# KiCad board Stream.kicad_pcb (continued)
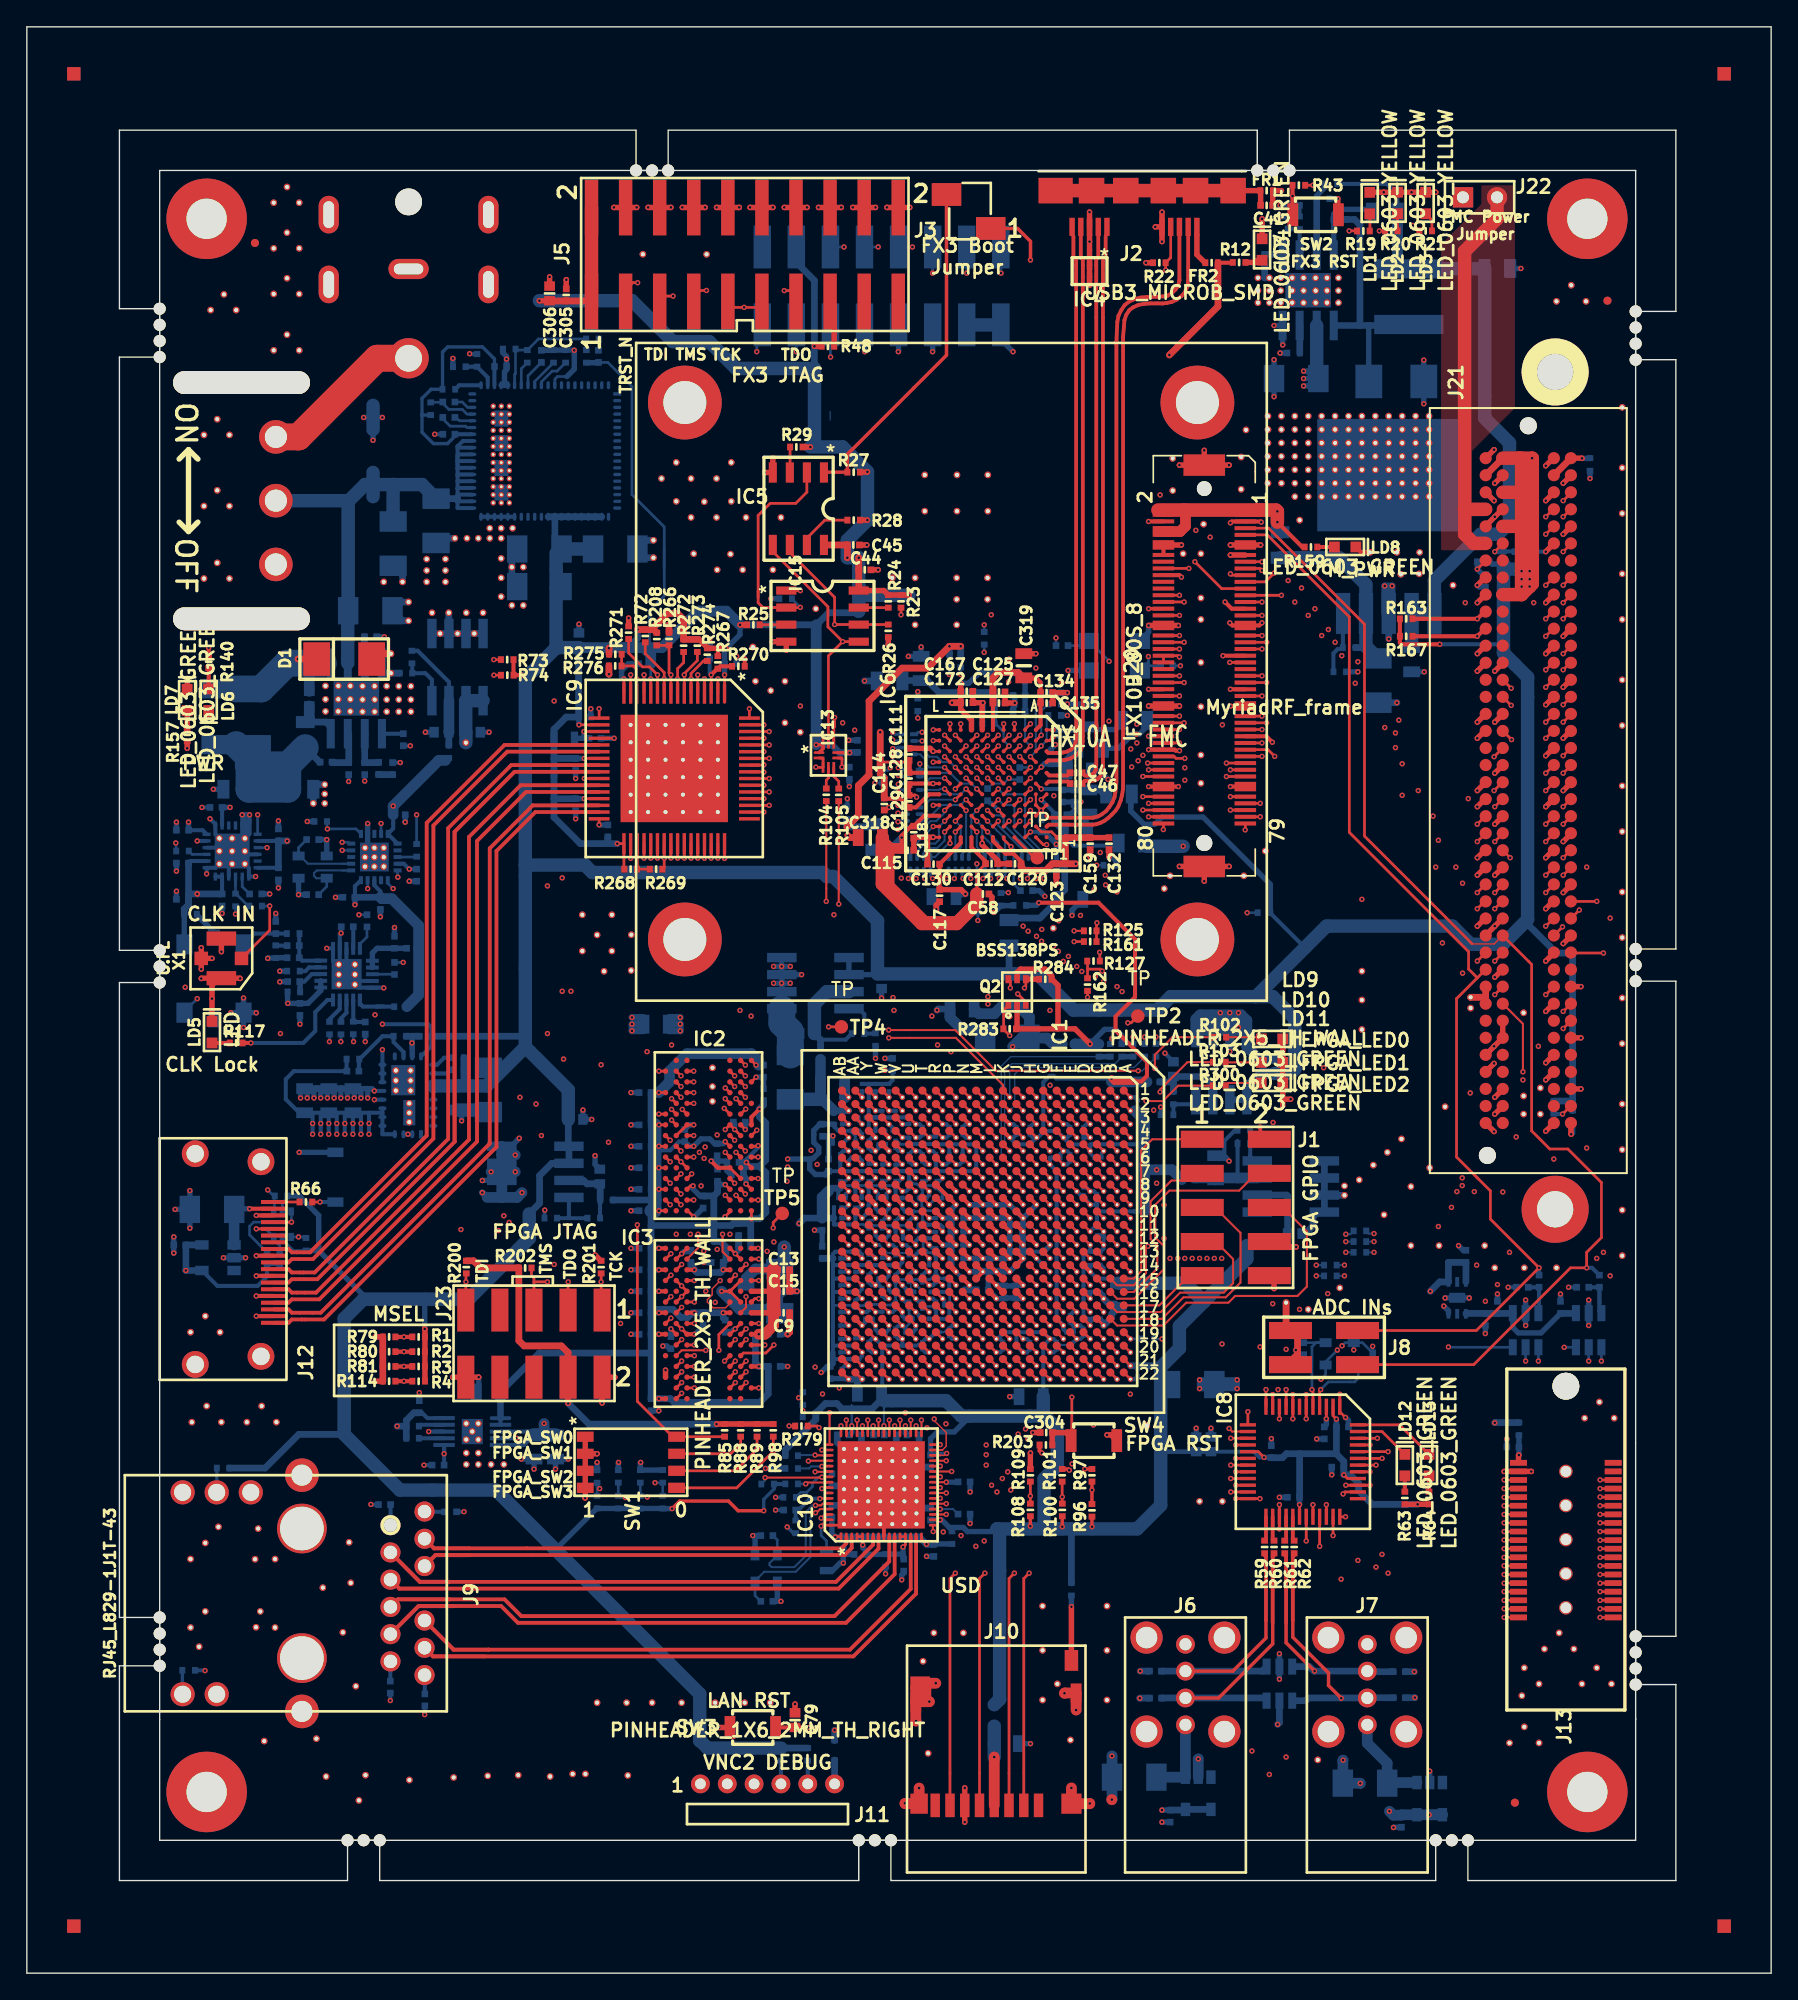
[diagram p0: board, top side]
## Routing (per net, layer and track width the routed paths; a pad name or vN(x,y) marks a point on that pad's centre or on a via; arc(x,y) is an arc through that point) (continued)
  Bottom w1: FR13.2 83.51,83.95 v1(86.18,83.95)
I2C_SCL: length 88.5
  Top w0.2: Q2.6 73.3,73.9 v1(73.3,73.4) ; R73.1 v1(34.8,97.86) ; IC6.D9 v1(74,86.62)
  Inner6.Cu w0.1: v1(73.2,97.9) 72.75,97.45 35.23,97.45 34.82,97.86 v1(34.8,97.86) 34.76,97.86
  Inner4.Cu w0.1: 74.4,95.8 74.4,87.03 v1(74,86.62) ; 74.4,95.8 74.4,96.08 ; 74.4,95.8 74.4,96.7 v1(73.2,97.9)
  Inner4.Cu w0.15: v1(23.5,83.65) 23.1,83.65 22.95,83.8 22.95,85.3 24.6,86.95 24.6,89.2 33.26,97.86 v1(34.8,97.86)
  Inner3.Cu w0.1: 73.62,80.28 73.62,80.4 ; 73.62,80.28 73.62,80.1 ; 73.62,80.28 73.62,80.43 ; 73.43,83.05 73.6,83.22 ; 73.43,83.05 73.75,83.38 73.75,85.38 73.6,85.53 IC6.D9 v1(74,86.62) ; 73.43,83.05 73.43,81.12 73.62,80.93 73.62,80.1 ; 73.62,80.1 73.62,73.72 v1(73.3,73.4)
  Bottom w0.2: v1(23.5,83.65) IC11.4
I2C_SCL_FPGA: length 14.5
  Top w0.2: v1(73.25,69.85) 72.8,70.3 72.8,71.75 73.15,72.1 Q2.1 ; IC1.K7 IC1.K7
  Inner3.Cu w0.1: v1(73.25,69.85) 73.94,69.16 73.94,67.96 73.62,67.65 73.62,59.62 IC1.K7
I2C_SDA: length 88.4
  Top w0.2: v1(73.85,72.95) 74.45,72.35 Q2.3 ; v1(74,85.82) IC6.D10 ; R74.1 v1(34.81,96.7)
  Inner6.Cu w0.1: 74.78,97.22 35.24,97.22 34.81,96.8 v1(34.81,96.7) 34.76,96.7 ; 74.78,97.22 75.15,97.22 ; 74.78,97.22 v1(75.2,97.22)
  Inner4.Cu w0.1: v1(75.2,97.22) 75.94,96.49 75.94,95.27 75.2,94.53 75.2,86.35 75.07,86.22 74.4,86.22 v1(74,85.82)
  Inner4.Cu w0.15: v1(23.5,84.25) 23.5,85.15 25.8,87.45 25.8,89.9 32.6,96.7 v1(34.81,96.7)
  Inner3.Cu w0.1: v1(74,85.82) 74,82.12 73.65,81.78 73.65,81.25 73.88,81.03 73.88,72.97 v1(73.85,72.95)
  Bottom w0.2: v1(23.5,84.25) 23.95,84.25 24.05,84.15 IC11.5
I2C_SDA_FPGA: length 17.1
  Top w0.2: v1(74.35,73.4) 74.45,73.5 Q2.4 ; IC1.J7 IC1.J7
  Top w0.4: Q2.4 R284.1
  Inner3.Cu w0.1: 74.43,70.88 74.43,70.7 ; 74.43,70.7 74.43,68.09 73.88,67.53 73.88,59.62 IC1.J7 ; 74.43,70.7 74.43,73.32 v1(74.35,73.4)
INT_N: length 49.7
  Top w0.15: v1(59.25,37.75) 59.28,37.78 59.82,37.78
  Top w0.2: IC1.E2 IC1.E2
  Inner5.Cu w0.1: 76.62,37.55 77.01,37.94 v1(77.9,37.94)
  Inner5.Cu w0.15: 76.62,37.55 73.88,37.55 73.55,37.88 72.78,37.88 72.28,37.38 71.3,37.38 70.85,37.82 68.78,37.82 68.32,37.38 67.68,37.38 67.47,37.57 59.43,37.57 v1(59.25,37.75)
  Inner4.Cu w0.1: IC1.E2 77.65,63.65 77.65,43.9 77.4,43.65 77.4,41.85 77.9,41.35 v1(77.9,37.94)
  Bottom w0.15: v1(59.25,37.75) 58.45,37.75 58.3,37.6 R77.2
IQSEL_Enable1: length 83.3
  Top w0.2: v1(114.5,94.5) 115.07,95.08 J21.H26 ; v1(92.95,104.3) 92.3,103.65 J20.19 ; IC1.B10 IC1.B10
  Inner6.Cu w0.15: 113.9,93.9 v1(114.5,94.5) 113.9,93.9 ; 113.9,93.9 107.85,93.9 107.3,93.35 v1(102.25,93.35)
  Inner5.Cu w0.2: v1(102.25,93.35) 101.2,94.4 101.2,98.1 95,104.3 v1(92.95,104.3)
  Inner1.Cu w0.1: v1(102.25,93.35) 100.9,93.35 100,92.45 100,69.6 87.03,56.62 81.62,56.62 IC1.B10
IQSEL_Enable2: length 87.5
  Top w0.2: v1(113.2,78) 113.77,78.57 J21.G13 ; v1(89.65,97.65) 89.65,97.65 J20.39 ; IC1.E10 IC1.E10
  Inner6.Cu w0.1: 92.93,54.1 84.3,54.1 83.78,54.62 79.15,54.62 78.75,55.03 78.75,55.78 78.28,56.25 IC1.E10
  Inner6.Cu w0.15: 112.75,77.55 v1(113.2,78) 112,76.8 112,72.8 98.35,59.15 97.95,59.15 92.9,54.1
  Inner5.Cu w0.2: v1(89.1,93) 104.65,77.45 111.7,77.45 112.25,78 v1(113.2,78)
  Inner4.Cu w0.2: v1(89.65,97.65) 89.1,97.1 v1(89.1,93)
lan_col: length 16.1
  Top w0.15: v1(58.25,38.15) 58.28,38.18 59.82,38.18
  Top w0.2: IC1.W20 IC1.W20
  Inner6.Cu w0.1: v1(58.75,45.15) 60.18,45.15 60.65,45.62 63.62,45.62 IC1.W20
  Inner4.Cu w0.15: 58.28,44.68 v1(58.75,45.15) 58.25,44.65 v1(58.25,38.15)
lan_crs: length 14.1
  Top w0.15: 59.82,39.38 v1(59.82,41.75)
  Top w0.2: IC1.U20 IC1.U20
  Inner4.Cu w0.1: v1(65.47,41.75) 65.47,43.57 65.62,43.72 65.62,45.62 IC1.U20
  Inner2.Cu w0.1: v1(59.82,41.75) 60.4,42.32 65.05,42.32 65.47,41.9 v1(65.47,41.75)
lan_gtx_clk: length 12.8
  Top w0.15: v1(68.07,39.38) IC10.32
  Top w0.2: IC1.R18 IC1.R18
  Inner4.Cu w0.1: 67.62,41.95 67.62,47.62 IC1.R18 ; 67.62,41.95 68.07,41.5 ; 67.62,41.95 68.07,41.5 ; 68.07,41.5 68.07,39.95 ; 68.07,41.5 v1(68.07,39.38)
lan_led: length 141.8
  Top w0.2: IC1.D1 IC1.D1
  Inner6.Cu w0.2: v1(38.8,70) v1(18.9,70)
  Inner5.Cu w0.15: 40.3,81 74,81 74.28,80.72 v1(79.55,80.72) ; 40.3,81 39.6,81 ; 40.3,81 v1(38.8,81)
  Inner4.Cu w0.2: 18.91,42.38 18.91,65.9 ; 18.91,65.9 18.91,66.71 ; 18.91,65.9 18.91,69.99 v1(18.9,70) ; v1(38.8,70) v1(38.8,81)
  Inner4.Cu w0.3: 18.91,42.38 15.8,39.27 15.8,37.21 15.48,36.89 15.48,23.04 14.98,22.54 v1(13.28,22.54)
  Inner3.Cu w0.1: 79.55,80.28 79.55,79.53 79.25,79.22 79.25,73.75 ; 79.55,80.28 79.55,80.5 ; 79.55,80.28 v1(79.55,80.72)
  Inner3.Cu w0.15: 79.25,73.75 79.8,73.2 79.8,68.8 79.25,68.25 IC1.D1
  Bottom w0.25: 13.26,22.56 v1(13.28,22.54)
  Bottom w0.3: 13.26,22.56 R128.1
LAN_MDC: length 31.5
  Top w0.15: 59.82,38.97 v1(59.25,38.97)
  Top w0.2: IC1.G14 IC1.G14
  Inner5.Cu w0.1: 71.55,43.17 71.73,43.35 71.73,51.44 72.04,51.75 75.75,51.75 IC1.G14
  Inner5.Cu w0.15: v1(59.3,43.15) 71.55,43.15
  Inner4.Cu w0.15: v1(59.3,43.15) 59.28,43.12 59.28,40.97 59.53,40.72 59.53,39.96 ; 59.53,39.96 59.28,39.71 ; 59.53,39.96 59.25,39.68 v1(59.25,38.97)
LAN_MDIO: length 38.1
  Top w0.15: v1(58.75,38.6) 58.78,38.57 59.82,38.57
  Top w0.2: IC1.E13 IC1.E13
  Inner6.Cu w0.1: 67.22,39.64 67.07,39.49 59.27,39.49 59.21,39.43 59.21,39.42
  Inner6.Cu w0.15: 67.22,39.64 67.66,39.64 68.5,40.48 69.37,40.48 69.85,40.96 79.37,40.96 v1(79.49,40.84) ; 59.21,39.43 59.03,39.43 58.75,39.15 v1(58.75,38.6)
  Inner4.Cu w0.1: IC1.E13 78.75,52.75 78.75,43.54 79.49,42.8 v1(79.49,40.84)
  Bottom w0.15: R76.2 57.52,38.6 v1(58.75,38.6)
LAN_RESET_N: length 29.3
  Top w0.15: v1(58.05,36.45) 58.15,36.55 59.55,36.55 59.57,36.57 59.82,36.57
  Top w0.2: 55.8,18.3 SW3.1 ; v1(56.81,40.77) 56.82,40.76 R279.2
  Top w0.3: v1(58.3,18.3) 58.3,18.3 C79.1 55.8,18.3
  Inner4.Cu w0.15: 58.3,35.1 v1(58.3,18.3) ; 58.3,35.1 58.3,36.2 v1(58.05,36.45) 56.81,37.69 v1(56.81,40.77) ; 58.3,35.1 58.3,35.9
  Bottom w0.2: R75.1 v1(58.05,36.45)
lan_rx_clk: length 31.5
  Top w0.1: 79.38,36.1 v1(79.38,35.99)
  Top w0.15: IC10.48 v1(60.68,40.78)
  Top w0.2: IC1.T21 IC1.T21
  Top w0.25: R96.2 R97.2
  Inner6.Cu w0.1: v1(67.08,40.63) 67.08,41.4 66.35,42.13 61.33,42.13 60.68,41.47 v1(60.68,40.78) ; v1(73.33,35.99) v1(79.38,35.99)
  Inner5.Cu w0.1: v1(67.08,40.63) 67.08,41.53
  Inner4.Cu w0.1: v1(67.08,40.63) 67.08,41.71 66.88,41.91 66.88,44.88 IC1.T21
  Inner2.Cu w0.1: v1(67.08,40.63) 67.58,40.63 70.84,37.37 71.53,37.37 72.91,35.99 v1(73.33,35.99)
lan_rx_dv: length 13.6
  Top w0.15: IC10.45 v1(61.88,41.2)
  Top w0.2: IC1.AA21 IC1.AA21
  Inner5.Cu w0.15: 60.6,41.7 61.38,41.7 v1(61.88,41.2)
  Inner4.Cu w0.1: IC1.AA21 62.62,44.88 62.62,42.85 61.88,42.1 v1(61.88,41.2)
  Inner2.Cu w0.1: v1(57.83,41.9) 58.4,41.33 60.03,41.33 60.31,41.61 61.62,41.61 61.88,41.35 v1(61.88,41.2)
  Bottom w0.1: 57.83,41.94 R106.2 ; 57.83,41.94 57.83,41.57 ; 57.83,41.94 R107.2
lan_rx_er: length 11.7
  Top w0.15: v1(61.07,41.2) 61.09,41.19 IC10.47
  Top w0.2: IC1.U19 IC1.U19
  Inner1.Cu w0.15: v1(61.07,41.2) 61.62,41.75 64.7,41.75 65.75,42.8 65.75,46.75 IC1.U19
lan_tx_clk: length 25.9
  Top w0.15: v1(59.25,36.1) 59.32,36.18 59.82,36.18
  Top w0.2: IC1.G22 IC1.G22
  Inner6.Cu w0.15: IC1.G22 75.8,44.7 64,44.7 63.7,44.4 63.7,44.1 63.2,43.6 v1(60.55,43.6)
  Inner4.Cu w0.15: v1(60.55,43.6) 60.55,41.45 59.8,40.7 59.8,36.65 v1(59.25,36.1)
lan_tx_en: length 9
  Top w0.15: v1(66.68,41.2) IC10.33
  Top w0.2: IC1.T18 IC1.T18
  Inner4.Cu w0.1: v1(66.68,41.2) 66.62,41.25 66.62,47.62 IC1.T18
lan_tx_err: length 12.5
  Top w0.1: 67.63,41.28 v1(67.62,41.28) 67.62,41.16 68.52,40.27 68.52,39.26 68.24,38.97
  Top w0.15: 68.24,38.97 IC10.31
  Top w0.2: IC1.T17 IC1.T17
  Inner3.Cu w0.1: 67.62,41.35 67.62,41.2 ; 67.62,41.35 67.62,48.88 IC1.T17 ; 67.62,41.35 v1(67.62,41.28)
LMS_dio_buff_oe: length 45.1
  Top w0.2: v1(108.1,75.4) 108.73,76.03 J21.C11 ; IC1.C13 IC1.C13
  Inner6.Cu w0.1: v1(107.57,65.57) 94.3,52.3 84.07,52.3 83.5,52.88 80.62,52.88 IC1.C13
  Inner4.Cu w0.1: v1(107.57,65.57) 108.4,66.4 108.4,74.5 108.1,74.8 v1(108.1,75.4)
LMS_dio_dir_ctrl1: length 46.9
  Top w0.2: v1(114.5,71.65) J21.H8 ; IC1.D13 IC1.D13
  Inner6.Cu w0.1: v1(114.5,71.65) 114.95,71.2 114.95,70.2 114.62,69.88 112.48,69.88 94.65,52.05 83.95,52.05 83.38,52.62 79.88,52.62 IC1.D13
LMS_dio_dir_ctrl2: length 58.1
  Top w0.2: v1(108.1,80.5) 108.71,81.12 108.73,81.12 ; IC1.D19 IC1.D19
  Inner6.Cu w0.1: v1(106.57,58.22) 105.18,58.22 101.6,54.65 101.6,53.25 96.23,47.88 79.88,47.88 IC1.D19
  Inner4.Cu w0.1: 106.57,74.25 106.57,75.15 ; 106.57,75.15 106.57,78.97 v1(108.1,80.5) ; 106.57,75.15 v1(106.57,58.22)
LMS_g_pwr_dwn: length 108.4
  Top w0.2: v1(109.4,75.4) 110,76 J21.D11 ; v1(86.6,104.65) 86.6,104.65 J20.16 ; IC1.C19 IC1.C19
  Inner6.Cu w0.1: 106.15,57.79 105.19,57.79 101.9,54.5 101.9,52.97 96.55,47.62 80.6,47.62 80.25,47.28 IC1.C19 ; 106.15,57.79 106.95,57.79 ; 106.15,57.79 106.71,57.79 ; 106.95,57.79 107.34,57.79 ; 106.95,57.79 107.44,57.79 v1(107.88,58.22)
  Inner5.Cu w0.15: v1(86.6,104.65) 88.35,104.65 89.1,105.4 89.1,106.45 89.5,106.85 92.2,106.85 93.45,105.6 97.3,105.6 100.8,102.1 v1(107.2,102.1)
  Inner4.Cu w0.1: v1(107.2,102.1) 107.8,101.5 109.32,101.5 109.82,101 109.82,77.65 109.4,77.22 v1(109.4,75.4) 108.95,74.95 108.95,63.1 107.75,61.9 107.75,58.7 107.88,58.57 v1(107.88,58.22)
LMS_GPIO0: length 71.3
  Top w0.2: v1(109.4,84.3) 110,84.9 J21.D18 ; IC1.E14 IC1.E14 ; v1(89.4,90.15) J20.65
  Inner3.Cu w0.1: v1(80.37,81.79) 79.43,81.79 79,81.36 79,74.22 78.62,73.85 78.62,52.62 IC1.E14
  Inner2.Cu w0.15: v1(109.4,84.3) 108.88,84.82 108.88,85.5 108.35,86.03 107.65,86.03 107.38,85.75 103.2,85.75 99.6,89.35 90.85,89.35 90.05,90.15 v1(89.4,90.15) 87.45,90.15 86.85,89.55 86.85,86.5 82.8,82.45 81.24,82.45 80.58,81.79 v1(80.37,81.79)
LMS_GPIO1: length 68.6
  Top w0.2: v1(108.1,85.6) 108.69,86.19 J21.C19 ; v1(89.7,89.65) J20.67 ; IC1.E15 IC1.E15
  Inner3.Cu w0.1: v1(80.4,81.07) 80.62,80.85 80.62,73.53 80.28,73.18 80.28,68.5 79.62,67.85 79.62,59 79.4,58.78 79.12,58.78 78.88,58.53 78.88,51.88 IC1.E15
  Inner2.Cu w0.15: v1(108.1,85.6) 107.9,85.4 102.93,85.4 99.34,88.99 90.66,88.99 90,89.65 v1(89.7,89.65) 88.43,89.65 88.12,89.35 88.12,86.4 87.65,85.93 86.88,85.93 82.03,81.07 v1(80.4,81.07)
LMS_GPIO2: length 69
  Top w0.2: J21.C18 v1(108.1,84.3) ; IC1.E16 IC1.E16 ; v1(89.4,89.15) J20.69
  Inner3.Cu w0.1: v1(81.25,80.55) 82.07,79.72 82.07,72.82 81.22,71.97 81.22,69.03 79.88,67.68 79.88,52.12 79.53,51.78 79.18,51.78 78.75,51.35 78.75,50.75 IC1.E16
  Inner2.Cu w0.15: v1(108.1,84.3) 107.43,84.97 102.68,84.97 99.02,88.62 90.48,88.62 89.95,89.15 v1(89.4,89.15) 88.52,88.28 88.52,86.25 87.8,85.53 87,85.53 82.03,80.55 v1(81.25,80.55)
LMS_GPIO3: length 72.8
  Top w0.2: v1(109.4,86.9) 109.96,87.47 J21.D20 ; v1(89.7,87.65) 89.7,87.65 J20.71 ; IC1.F15 IC1.F15
  Inner3.Cu w0.1: v1(78.53,78.8) 78.53,75.97 78.55,76 77.65,75.1 77.65,51.65 IC1.F15
  Inner2.Cu w0.15: v1(109.4,86.9) 110.1,86.2 110.1,84.03 109.8,83.72 103.27,83.72 99.35,87.65 v1(89.7,87.65) 89.07,87.03 89.07,83.8 84.07,78.8 v1(78.53,78.8)
LMS_GPIO4: length 73.3
  Top w0.2: v1(109.35,88.1) 109.98,88.72 J21.D21 ; IC1.F16 IC1.F16
  Inner5.Cu w0.1: v1(108.7,50.05) 107.88,49.22 105.07,49.22 104.57,49.72 96.3,49.72 95.4,50.62 77.62,50.62 IC1.F16
  Inner3.Cu w0.15: v1(108.7,50.05) 108.7,52.78 109.32,53.4 109.32,58.45 110,59.12 110,62.72 108.93,63.8 108.93,87.68 v1(109.35,88.1)
LMS_GPIO5: length 67.8
  Top w0.2: v1(109.35,90.62) 110,91.27 J21.D23 ; IC1.D17 IC1.D17
  Inner6.Cu w0.1: v1(106.98,58.68) 105.05,58.68 101.32,54.95 101.32,53.4 96.55,48.62 79.88,48.62 IC1.D17
  Inner3.Cu w0.15: v1(106.98,58.68) 107.32,58.68 107.65,59 107.65,62.1 108.55,63 108.55,89.82 v1(109.35,90.62)
LMS_GPIO6: length 70.8
  Top w0.2: v1(110.62,94.45) 110,95.08 J21.D26 ; IC1.D15 IC1.D15
  Inner6.Cu w0.1: v1(111.5,66.55) 109.98,66.55 99.45,56.03 99.45,53.07 98.73,52.35 97.1,52.35 96.23,51.47 83.7,51.47 83.55,51.62 79.62,51.62 IC1.D15
  Inner3.Cu w0.15: v1(111.5,66.55) 110,68.05 110,93.82 v1(110.62,94.45)
LMS_GPIO7: length 78.3
  Top w0.2: v1(110.62,95.72) 110,96.36 ; IC1.C15 IC1.C15
  Inner5.Cu w0.15: v1(109.6,51.3) 105.88,51.3 104.62,50.05 96.45,50.05 95.02,51.47 91.85,51.47 91.62,51.25 IC1.C15
  Inner4.Cu w0.15: v1(109.6,51.3) 110.98,52.68 110.98,58.95 112.15,60.12 112.15,94.18 110.62,95.7 v1(110.62,95.72)
LMS_iqsel1_dir: length 56.5
  Top w0.2: v1(109.4,80.5) 110,81.09 110,81.12 ; IC1.C17 IC1.C17
  Inner6.Cu w0.1: v1(106.98,59.25) 104.98,59.25 101.05,55.32 101.05,53.55 96.38,48.88 80.62,48.88 IC1.C17
  Inner4.Cu w0.1: v1(106.98,59.25) 106.98,73.65 107.45,74.12 107.45,79.35 108.05,79.95 108.85,79.95 v1(109.4,80.5)
LMS_iqsel2_dir: length 46.9
  Top w0.2: v1(114.5,70.38) 115.07,70.95 115.07,70.96 ; IC1.E11 IC1.E11
  Inner6.Cu w0.1: v1(114.5,70.38) 111.55,70.38 109.64,68.46 108.76,68.46 103.45,63.15 103.45,62.28 94,52.82 84.22,52.82 83.18,53.88 79.05,53.88 78.88,54.05 78.88,54.5 78.25,55.12 IC1.E11
LMS_RESET: length 60.8
  Top w0.2: J20.66 v1(83.53,90.15) ; IC1.E12 IC1.E12
  Inner5.Cu w0.15: v1(96.1,51.95) 95.75,52.3 85.85,52.3 85.2,52.95 v1(85.2,53.25)
  Inner4.Cu w0.1: v1(85.2,53.25) 85.2,71.47 81.62,75.05 81.62,88.6 83.18,90.15 v1(83.53,90.15)
  Inner2.Cu w0.1: v1(85.2,53.25) 83.8,53.25 83.18,53.88 78.62,53.88 IC1.E12
  Bottom w0.15: v1(96.1,51.95) R192.1
LMS_RXEN: length 108
  Top w0.2: v1(84.7,85.2) 84.71,85.21 J20.80 ; v1(117,79.85) 117,79.84 J21.H14 ; IC1.G7 IC1.G7
  Inner5.Cu w0.15: v1(117,53.25) v1(89.05,53.25)
  Inner4.Cu w0.1: v1(89.05,53.25) 89.05,70.12 83.8,75.38 83.8,84.3 v1(84.7,85.2)
  Inner4.Cu w0.15: v1(117,79.85) v1(117,53.25)
  Inner2.Cu w0.1: 89.05,53.82 89.05,53.97 84.85,58.18 84.18,58.18 83.72,58.62 76.88,58.62 IC1.G7 ; 89.05,53.82 89.05,53.7 ; 89.05,53.82 v1(89.05,53.25)
LMS_SBEN: length 1.5
  Top w0.2: IC1.A19 IC1.A19
  Bottom w0.2: IC1.A19 R194.2
LMS_SPI_CS: length 61.9
  Top w0.2: v1(83.6,87.15) 83.6,87.15 J20.74 ; IC1.F9 IC1.F9
  Inner5.Cu w0.15: v1(98.3,53.7) 87.65,53.7 87.4,53.45 v1(87.4,53.25)
  Inner4.Cu w0.1: v1(87.4,53.25) 87.4,70.7 82.78,75.32 82.78,86.88 83.05,87.15 v1(83.6,87.15)
  Inner2.Cu w0.1: v1(87.4,53.25) 83.78,56.88 77.62,56.88 IC1.F9
  Bottom w0.15: R189.1 v1(98.3,53.7)
LMS_SPI_MISO: length 97.5
  Top w0.2: IC1.H10 IC1.H10 ; v1(83.18,89.15) J20.70
  Inner5.Cu w0.1: v1(86.3,53.25) 86.8,52.75 v1(96.1,52.75)
  Inner4.Cu w0.1: v1(86.3,53.25) 86.3,71.07 82.18,75.2 82.18,88.15 v1(83.18,89.15)
  Inner2.Cu w0.1: 85.43,54.12 v1(86.3,53.25) 85.43,54.12 ; 85.43,54.12 84.72,54.12 83.97,54.88 76.03,54.88 75.75,55.15 75.75,55.75 IC1.H10 ; v1(116.4,45.6) 116.4,45.53
  Inner2.Cu w0.15: 116.4,45.53 115.97,45.1 112.2,45.1 v1(111.7,45.6) 112.12,46.02 114.64,46.02 115,46.38 115,47.07 112.42,49.65 109.79,49.65 108.01,51.43 99.57,51.43 99.43,51.57 97.83,51.57 96.65,52.75 v1(96.1,52.75)
  Bottom w0.15: R193.1 v1(96.1,52.75)
  Bottom w0.2: v1(116.4,45.6) U9.5 ; v1(111.7,45.6) U10.5
LMS_SPI_MOSI: length 66.4
  Top w0.1: IC1.H11 IC1.H11
  Top w0.2: v1(83.6,89.65) J20.68
  Inner5.Cu w0.1: v1(98.3,55.05) 87.25,55.05 85.78,53.58 v1(85.78,53.25)
  Inner4.Cu w0.1: 85.54,71.5 81.94,75.11 81.94,88.53 83.06,89.65 v1(83.6,89.65) ; 85.54,71.5 85.55,71.5 ; 85.54,71.5 85.81,71.24 85.81,53.28 v1(85.78,53.25)
  Inner2.Cu w0.1: IC1.H11 75.83,54.67 83.69,54.67 84.63,53.73 85.35,53.73 85.78,53.3 v1(85.78,53.25)
  Bottom w0.15: R190.1 98.63,55.05 v1(98.3,55.05)
LMS_SPI_SCK: length 96.6
  Top w0.2: v1(83.18,87.65) 83.18,87.65 J20.72 ; IC1.G9 IC1.G9
  Inner5.Cu w0.15: v1(98.3,54.5) 87.85,54.5 86.85,53.5 v1(86.85,53.25)
  Inner4.Cu w0.1: v1(86.85,53.25) 86.85,70.88 82.5,75.22 82.5,86.97 v1(83.18,87.65)
  Inner2.Cu w0.1: v1(86.85,53.25) 83.47,56.62 76.88,56.62 IC1.G9
  Inner2.Cu w0.15: 117.35,46.35 117.35,49.9 115.45,51.8 100.05,51.8 98.9,52.95 98.9,53.95 98.35,54.5 v1(98.3,54.5) ; 117.35,46.35 115.65,46.35 114.9,45.6 v1(112.65,45.6) ; 117.35,46.35 v1(117.35,45.6)
  Bottom w0.15: v1(98.3,54.5) R191.1
  Bottom w0.2: v1(112.65,45.6) 112.65,45.6 U10.4 ; v1(117.35,45.6) 117.35,45.6 U9.4
LMS_SyntCLK1: length 49
  Top w0.15: J21.D8 111.5,70.72 v1(111.5,67.15)
  Top w0.2: IC1.B12 IC1.B12
  Inner5.Cu w0.15: v1(111.5,67.15) 106.79,67.15 103.54,63.9 84.37,63.9 v1(83.98,64.29)
  Inner4.Cu w0.1: v1(83.98,64.29) 84.94,63.33 84.94,58.89 83.61,57.56 83.61,54.82 82.4,53.61 81.9,53.61 81.26,54.25 IC1.B12
LMS_SyntCLK2: length 55.6
  Top w0.2: IC1.G21 IC1.G21 ; J21.D9 v1(109.4,72.9)
  Inner6.Cu w0.1: v1(110,58.2) 97.68,45.88 76.88,45.88 IC1.G21
  Inner4.Cu w0.1: v1(109.4,72.9) 110,72.3 v1(110,58.2)
LMS_TXEN: length 103.4
  Top w0.2: v1(113.2,95.8) 113.75,96.36 113.81,96.36 ; v1(90.8,85.18) 90.81,85.19 J20.79 ; IC1.C10 IC1.C10
  Inner5.Cu w0.1: v1(116.25,61.47) 114.02,61.47 108.57,56.03 104.95,56.03 104.8,55.88 80.62,55.88 IC1.C10
  Inner4.Cu w0.15: v1(113.2,95.8) 113.85,95.15 115.02,95.15 116.25,93.93 v1(116.25,82.4) v1(116.25,61.47)
  Inner2.Cu w0.15: v1(116.25,82.4) 108,82.4 107.12,83.28 103.07,83.28 101.18,85.18 v1(90.8,85.18)
MCLK1: length 81.3
  Top w0.2: v1(114.5,93.2) 115.07,93.78 J21.H25 ; v1(86.3,90.5) 85.65,90.5 85.5,90.65 J20.64 ; IC1.A11 IC1.A11
  Inner6.Cu w0.1: v1(84.2,58.85) 84.21,58.86 89.56,58.86
  Inner6.Cu w0.15: 89.56,58.86 101,70.3 101,91.8 101.6,92.4 v1(102,92.4) 113.7,92.4 v1(114.5,93.2)
  Inner4.Cu w0.1: IC1.A11 83.13,56.13 83.13,57.82 84.16,58.85 v1(84.2,58.85)
  Inner2.Cu w0.15: v1(86.3,90.5) 87.95,92.15 92.3,92.15 92.55,92.4 v1(102,92.4)
MCLK2: length 77.2
  Top w0.2: v1(93,90.65) 92.5,91.15 J20.61 ; IC1.B11 IC1.B11 ; J21.G12 v1(114.45,77.95)
  Inner6.Cu w0.1: 92.75,54.4 92.7,54.35 84.45,54.35 83.93,54.88 81.62,54.88 IC1.B11
  Inner6.Cu w0.15: 92.75,54.4 98.55,60.2 98.9,60.2 111.5,72.8 111.5,77.3 112.8,78.6 113.8,78.6 v1(114.45,77.95)
  Inner5.Cu w0.15: v1(93,90.65) 105.2,78.45 113.95,78.45 v1(114.45,77.95)
Me_CLK: length 35.5
  Top w0.2: v1(110.1,36.75) 110.11,36.74 J13.5 ; IC1.B21 IC1.B21
  Inner5.Cu w0.1: v1(110.1,36.75) 109.4,37.45 109.4,39.72 104.25,44.88 81.62,44.88 IC1.B21
MIPI_DATA: length 49.3
  Top w0.2: v1(83.18,86.65) J20.76 ; IC1.E9 IC1.E9
  Inner4.Cu w0.1: v1(87.95,53.25) 87.95,70.53 83.18,75.3 v1(83.18,86.65)
  Inner2.Cu w0.1: v1(87.95,53.25) 83.57,57.62 78.62,57.62 IC1.E9
MIPI_SCK: length 51.8
  Top w0.2: v1(83.6,86.15) J20.78 ; IC1.G8 IC1.G8
  Inner4.Cu w0.1: v1(88.5,53.25) 88.5,70.32 83.55,75.28 83.55,86.1 v1(83.6,86.15)
  Inner2.Cu w0.1: 88.5,53.9 88.5,54.1 84.72,57.88 76.62,57.88 IC1.G8 ; 88.5,53.9 88.5,53.7 ; 88.5,53.9 v1(88.5,53.25)
Mo_CLK: length 50.2
  Top w0.2: v1(117.25,36.75) 117.26,36.74 J13.6 ; IC1.H16 IC1.H16
  Inner5.Cu w0.1: 117.25,37.62 117.25,38.2 106.8,48.65 90.9,48.65 89.68,49.88 75.62,49.88 IC1.H16 ; 117.25,37.62 117.25,37.53 ; 117.25,37.62 v1(117.25,36.75)
MyriadPRSNT: length 58.1
  Top w0.15: v1(83.55,54.15) 83.4,54 83.4,52.15 82.5,51.25 81.25,51.25 IC1.B15
  Top w0.2: v1(85.9,98.05) 85.8,98.15 J20.38 J20.40
  Inner3.Cu w0.15: v1(83.55,54.15) 83.55,60.9 85.65,63 85.65,69.4 90.95,74.7 v1(90.95,79) 89.25,80.7 87.45,80.7 86.8,81.35 86.8,97.5 86.25,98.05 v1(85.9,98.05)
  Bottom w0.2: R147.1 v1(90.95,79)
N-0000017: length 23.2
  Top w0.15: R102.1 85.38,69.73 84.07,68.42 v1(84.07,67.4)
  Top w0.2: IC1.H5 IC1.H5
  Inner2.Cu w0.1: v1(84.07,67.4) 84.08,67.39 84.08,65.27 84.21,65.14 84.21,65.12 84.84,65.12 85.26,64.7 85.26,62.48 83.66,60.88 75.95,60.88 75.58,61.25 IC1.H5
N-0000038: length 2.7
  Top w0.15: LD9.1 91.87,69.73 R102.2
N-0000046: length 21.3
  Top w0.15: R103.2 86.5,67.87 84.46,65.83 v1(84.46,65.65)
  Top w0.2: IC1.H6 IC1.H6
  Inner2.Cu w0.1: v1(84.46,65.65) 85.33,65.65 85.9,65.08 85.9,62.78 83.78,60.66 75.85,60.66 75.44,60.25 IC1.H6
N-0000047: length 2.7
  Top w0.15: R103.1 89.36,67.85 LD10.1
N-0000081: length 14.2
  Top w0.15: v1(83.41,64.97) 84.66,64.97 85.81,66.12 R300.1
  Top w0.2: IC1.E5 IC1.E5
  Inner2.Cu w0.1: 83.41,64.62 83.41,62.77 82.35,61.71 78.73,61.71 78.27,61.25 IC1.E5 ; v1(83.41,64.97) 83.41,64.58
N-0000082: length 2.7
  Top w0.15: R300.2 89.54,66.32 LD11.1
N-0000083: length 18.9
  Top w0.2: IC1.E6 IC1.E6 ; v1(78.05,76.85) R161.1
  Inner1.Cu w0.15: 78.05,76.17 78.05,75.9 ; 78.05,75.9 78.05,75.5 77.75,75.2 IC1.E6 IC1.E6 ; 78.05,75.9 78.05,76.1 ; 78.05,76.1 v1(78.05,76.85) ; 78.05,76.1 78.05,76.4
N-0000084: length 29.8
  Top w0.2: v1(59.04,40.64) 58.92,40.76 R279.1 ; IC1.A20 IC1.A20
  Inner6.Cu w0.1: 76.1,42.36 61.16,42.36 59.44,40.64 v1(59.04,40.64) ; 76.1,42.36 76.95,42.36 ; 76.1,42.36 76.21,42.36 ; 76.95,42.36 77.35,42.36 ; 76.95,42.36 81.46,42.36 v1(82.24,43.14)
  Inner4.Cu w0.1: IC1.A20 81.78,45.78 81.78,44 82.24,43.54 v1(82.24,43.14)
N-0000087: length 15.2
  Top w0.2: R162.2 v1(79.05,72.7) ; IC1.D7 IC1.D7
  Inner3.Cu w0.1: 78.88,71.45 78.88,59.62 IC1.D7 ; 78.88,71.45 78.88,71.82 ; 78.88,71.45 78.88,72.53 v1(79.05,72.7)
N-00000180: length 38.8
  Top w0.2: v1(108.1,79.3) 108.64,79.84 J21.C14
  Inner5.Cu w0.15: v1(108.05,52.75) v1(98.2,52.75)
  Inner4.Cu w0.1: v1(108.1,79.3) 108.7,78.7 108.7,63.35 107.45,62.1 107.45,53.35 v1(108.05,52.75)
  Bottom w0.15: R193.2 v1(98.2,52.75)
N-00000181: length 56.7
  Top w0.2: v1(109.4,79.3) 109.94,79.84 J21.D14
  Inner5.Cu w0.15: v1(118,78.6) 115.45,78.6 115.24,78.81 112.76,78.81 112.27,79.3 v1(109.4,79.3) ; v1(118,51.95) v1(98.2,51.95)
  Inner4.Cu w0.15: v1(118,78.6) v1(118,51.95)
  Bottom w0.15: v1(98.2,51.95) R192.2
N-00000183: length 64.8
  Top w0.2: v1(110.65,91.9) 110,92.54 J21.D24
  Inner6.Cu w0.1: v1(111,62.3) 111,60.75 97.5,47.25 v1(84.6,47.25)
  Inner4.Cu w0.1: v1(110.65,91.9) 111,91.55 v1(111,62.3)
  Bottom w0.15: R194.1 v1(84.6,47.25)
N-00000188: length 40.9
  Top w0.2: v1(110.55,83.1) J21.D17
  Inner5.Cu w0.15: v1(110.5,53.7) v1(100.4,53.7)
  Inner4.Cu w0.15: v1(110.55,83.1) 110.5,83.05 v1(110.5,53.7)
  Bottom w0.15: R189.2 v1(100.4,53.7)
N-00000197: length 29.7
  Top w0.2: v1(113.2,72.9) 113.8,73.5 J21.G9
  Inner5.Cu w0.15: v1(100.4,55.1) 108.04,55.1 113.59,60.65 v1(113.8,60.65)
  Inner4.Cu w0.15: v1(113.2,72.9) 113.8,72.3 v1(113.8,60.65)
  Bottom w0.15: v1(100.4,55.1) 100,55.1 99.82,55.28 R190.2
N-00000199: length 43
  Top w0.2: J21.H11 115.11,76 v1(117.5,76)
  Inner5.Cu w0.15: v1(117.5,53.7) 111.45,53.7 110.4,54.75 101.1,54.75 100.85,54.5 v1(100.4,54.5)
  Inner4.Cu w0.15: v1(117.5,76) v1(117.5,53.7)
  Bottom w0.15: R191.2 v1(100.4,54.5)
N-00000208: length 3.2
  Top w0.4: v1(115.9,112.85) 115.88,112.86 J21.H40
  Top w0.5: J21.G39 J21.H40
  Bottom w0.4: R199.1 116.48,112.85 v1(115.9,112.85)
N-00000224: length 2.4
  Top w0.2: v1(109.4,105.9) 110,106.5 110,106.52
  Bottom w0.3: R196.1 110.86,105.92 R195.2
  Bottom w0.4: R195.2 110.03,105.9 v1(109.4,105.9)
N-00000225: length 2.2
  Top w0.2: v1(108.1,104.6) 108.73,105.22 J21.C34
  Bottom w0.4: R197.2 108.1,105.13 v1(108.1,104.6) 108.48,104.22 R198.1
N-00000229: length 1.7
  Top w0.4: v1(115.1,62.5) 115.07,62.53 115.07,63.34
  Bottom w0.4: v1(115.1,62.5) 115.2,62.6 R146.2
N-00000249: length 4.1
  Top w0.2: IC5.7 58.13,106.91 59.47,108.25 R28.2
N-00000251: length 1.9
  Top w0.2: IC5.3 56.88,111.82 R29.2
N-00000253: length 1.9
  Top w0.28: C47.2 77.55,89.22 76.2,89.22 IC6.A5
N-00000255: length 3.5
  Top w0.4: J5.15 60.17,124.24 R48.2
N-00000259: length 4.1
  Top w0.2: IC6.J7 v1(69.2,87.43)
  Bottom w0.15: R206.2 66.92,86.35 67.1,86.53 67.1,87.22 67.3,87.43 v1(69.2,87.43)
N-00000260: length 4.8
  Top w0.2: IC6.H7 v1(70,88.22)
  Bottom w0.15: R206.1 66.53,87.15 67.2,87.82 69.6,87.82 v1(70,88.22)
N-00000261: length 5.4
  Top w0.2: IC6.G7 v1(70.8,88.22)
  Bottom w0.15: R207.2 66.97,89.15 67.25,89.43 68.8,89.43 69.6,88.62 70.4,88.62 v1(70.8,88.22)
N-00000262: length 7.9
  Top w0.2: v1(72.4,88.22) IC6.F7
  Bottom w0.15: R53.4 75.65,83.58 74.4,84.82 74.4,87.75 74.32,87.82 72.8,87.82 v1(72.4,88.22)
N-00000263: length 2.6
  Top w0.2: IC6.K6 v1(68.4,89.03)
  Bottom w0.15: R207.3 66.95,88.65 67.32,89.03 v1(68.4,89.03)
N-00000264: length 9.5
  Top w0.2: IC6.J6 v1(69.2,88.22)
  Inner3.Cu w0.15: v1(70.8,82.65) 69.6,83.85 69.6,87.82 v1(69.2,88.22)
  Bottom w0.2: v1(70.8,82.65) 70.8,80.97 70.88,80.9 R56.1
N-00000265: length 4.9
  Top w0.2: IC6.H6 v1(70,89.03)
  Inner6.Cu w0.15: v1(66.55,90.1) 67.22,89.43 68.6,89.43 69,89.03 v1(70,89.03)
  Bottom w0.2: v1(66.55,90.1) R207.1
N-00000266: length 7
  Top w0.15: IC6.G6 v1(70.8,89.03)
  Inner6.Cu w0.15: v1(66.72,91.8) 66.72,91.15 67.25,90.62 67.82,90.62 68.22,90.22 68.6,90.22 68.8,90.03 68.8,89.65 69.03,89.43 70.4,89.43 v1(70.8,89.03)
  Bottom w0.2: v1(66.72,91.8) 66.72,91.8 R55.2
N-00000267: length 3.4
  Top w0.2: IC6.K5 v1(68.4,89.82)
  Bottom w0.15: R55.4 66.57,90.8 67,90.38 67,90.1 67.28,89.82 v1(68.4,89.82)
N-00000268: length 4.3
  Top w0.2: IC6.J5 v1(69.2,89.82)
  Bottom w0.15: R55.3 66.57,91.3 67.25,90.62 67.82,90.62 68.22,90.22 68.8,90.22 v1(69.2,89.82)
N-00000269: length 7.6
  Top w0.2: IC6.H5 v1(70,89.82)
  Inner5.Cu w0.1: v1(64.35,89.8) 64.78,90.22 65.32,90.22 66.12,89.43 69.6,89.43 v1(70,89.82)
  Bottom w0.2: v1(64.35,89.8) 64.17,89.62 R57.1
N-00000270: length 6.9
  Top w0.2: IC6.G5 v1(70.8,89.82)
  Inner6.Cu w0.15: v1(66.72,92.45) 67.12,92.05 67.12,91.57 67.28,91.43 67.8,91.43 68.2,91.03 68.65,91.03 68.8,90.88 68.8,90.45 69.03,90.22 70.4,90.22 v1(70.8,89.82)
  Bottom w0.2: v1(66.72,92.45) 66.43,92.45 66.27,92.3 R55.1
